# Altium PCB K60最小系统.PcbDoc (part 1 of 2) (continued)
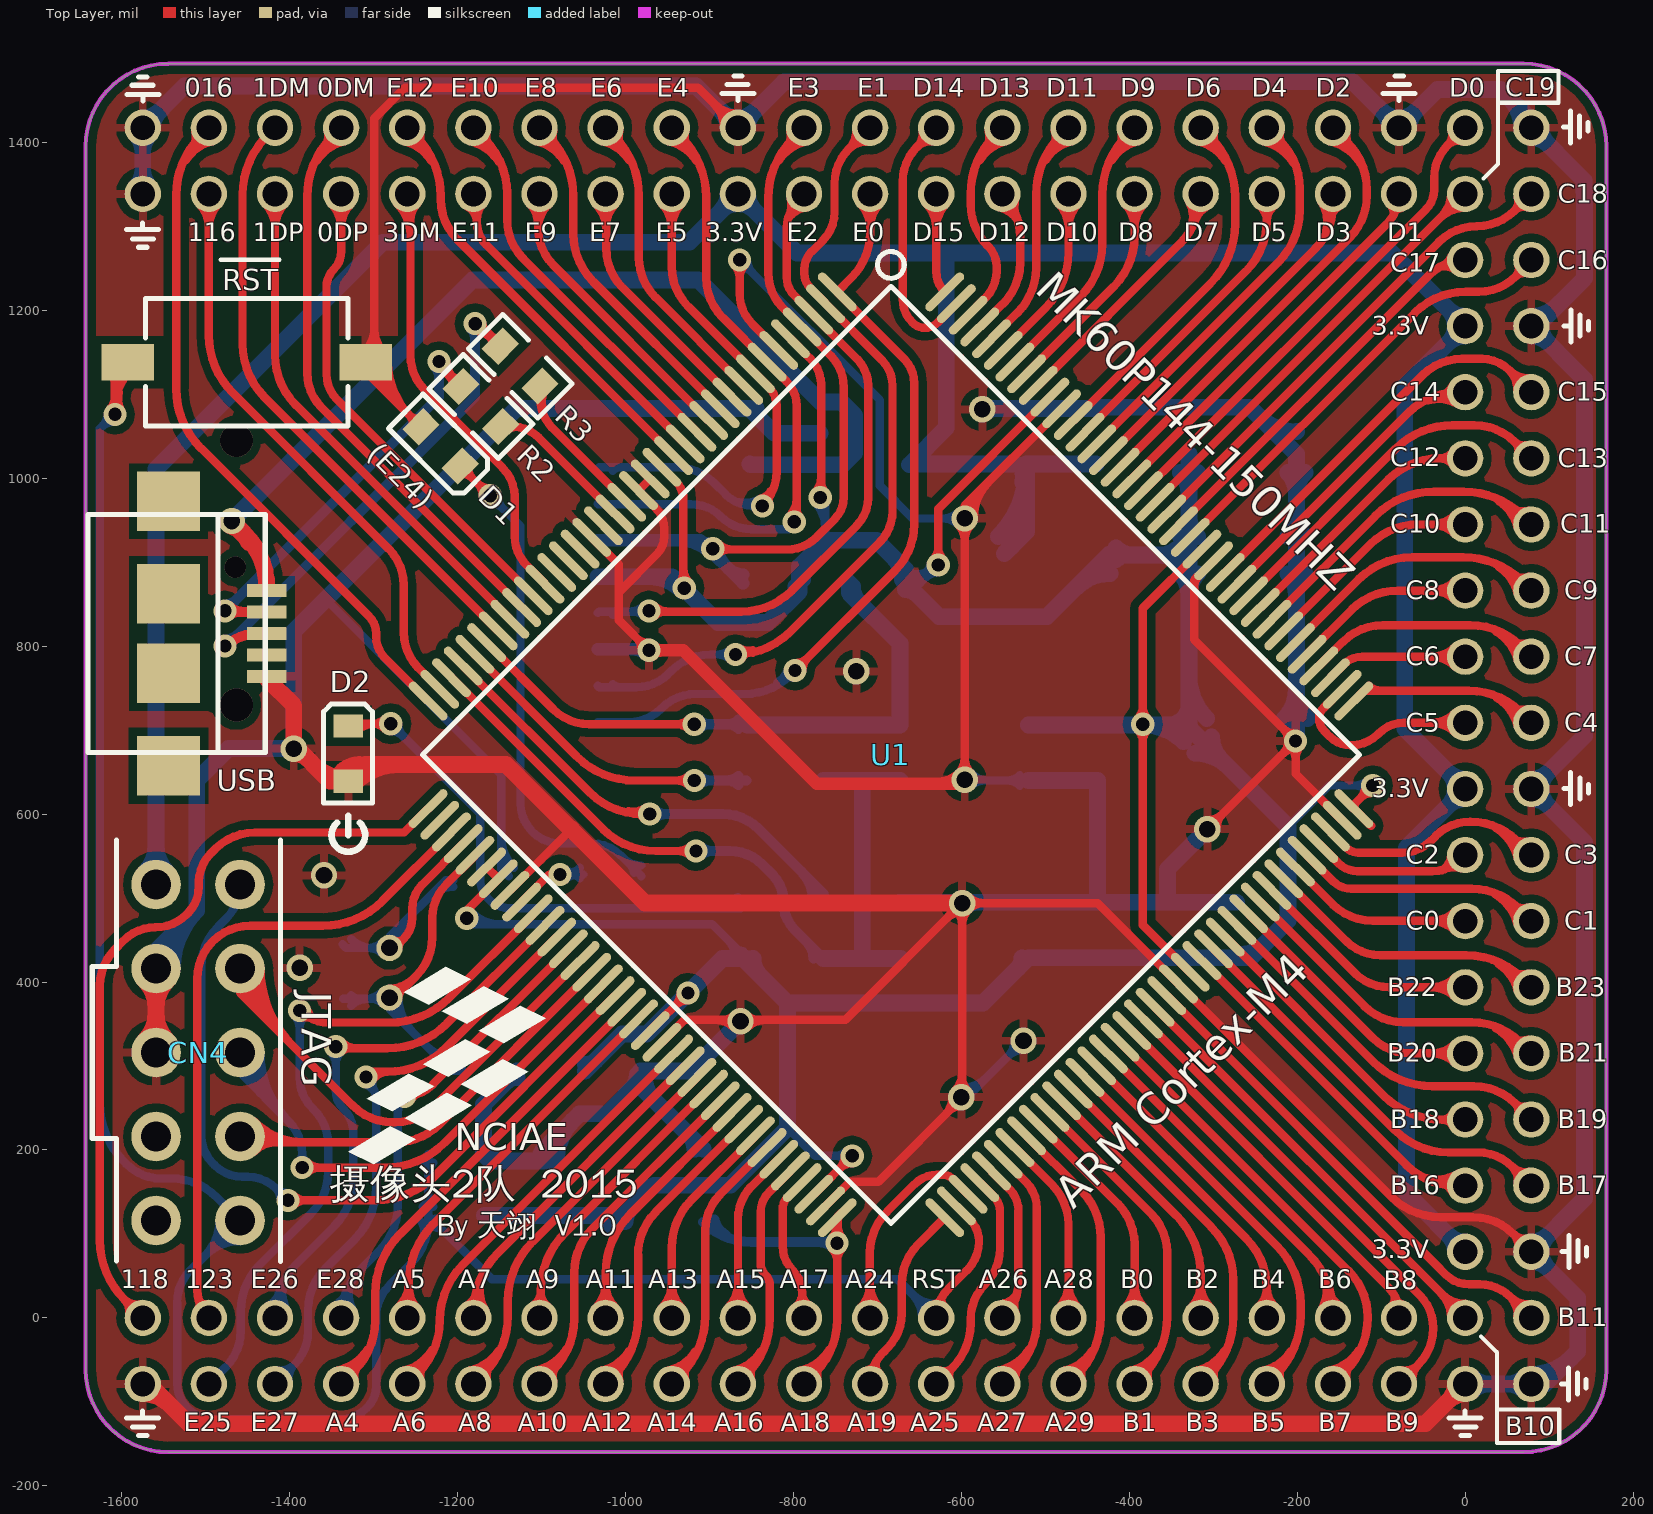
[diagram p0: Top Layer view]
## Nets (pads, with @x,y where several pads share a name; then routed paths per layer and width w, separated by ;. In a path a pad name is that pad's centre, name@x,y a point inside that pad or via, vN(x,y) a via of type N, cw(c..) or ccw(c..) an arc to the next point about the centre after c; other vN are vias at no path point) (continued)
  other v1: -930,869
3V3_IN: C5.1 C6.1 CN1.8 CN1.22 CN1.36 CN2.20 CN4.1 F1.1 U2.5 | length 4655.4
  Bottom Layer w15: C6.1@-539.33,1017 C6.1@-522.37,1017
  Bottom Layer w20: CN4.1@-1572.81,529.81 ccw(c-1606.14,563.14) -1559,563.14 ccw(c-1511.86,563.14) CN4.1@-1545.19,529.81 ; CN4.1@-1559,516 -1559,1011 -1289,1281 -923.72,1281 CN2.20@-866.14,1338.58 -795.56,1268 -618,1268 ; CN2.20@-877.79,1338.58 cw(c-905.93,1338.58) -886.03,1318.69 cw(c-866.14,1298.79) -866.14,1326.93 cw(c-866.14,1298.79) -846.25,1318.69 cw(c-826.35,1338.58) CN2.20@-854.49,1338.58 ; U2.5@-661.7,1016 U2.5@-660.7,1017 ; F1.1@-556.07,930.57 ccw(c-637.42,1011.92) C6.1@-522.37,1011.92 ; F1.1@-549,910 -522.37,936.63 ; F1.1@-544.83,932.59 ccw(c-536.5,950.75) -522.38,936.62 ; F1.1@-541.93,916.43 ccw(c-589.14,963.64) -522.37,963.64 ; C6.1@-539.33,1017 U2.5@-660.7,1017 ; C6.1@-529.58,1015.11 cw(c-552.62,1001.81) -526.93,994.93 ; C5.1@-439.71,1017 C6.1@-522.37,1017 -522.37,936.63 ; CN1.36@-11.65,78.74 ccw(c-39.79,78.74) -19.89,98.63 ccw(c0,118.53) CN1.36@0,90.39 ; CN1.36@0,78.74 -70,148.74 -70,559.92 CN1.22@0,629.92 -72,701.92 -72,1109.1 CN1.8@0,1181.1 -86.9,1268 -618,1268 ; CN1.22@0,618.27 ccw(c0,590.13) -19.89,610.03 ccw(c-39.79,629.92) -11.65,629.92 ccw(c-39.79,629.92) -19.89,649.81 ccw(c0,669.71) CN1.22@0,641.57 ; CN1.8@0,1169.45 ccw(c0,1141.31) -19.89,1161.21 ccw(c-39.79,1181.1) -11.65,1181.1 ccw(c-39.79,1181.1) -19.89,1201 ccw(c0,1220.89) CN1.8@0,1192.75 ; U2.5@-660.7,1017 -618,1059.7 -618,1268
5V_IN: C7.1 U2.1 U2.3 USB.1 | length 1254.2
  Top Layer w20: v2@-1470.94,943.59 cw(c-1484.23,906.43) -1448.55,923.3 ; v2@-1470.26,943.39 cw(c-1476.52,915.44) -1450.63,927.69 ; v2(-1469,949) -1453.95,933.95 ; -1453.92,933.92 cw(c-1518.9,869) USB.1@-1427.05,869
  Bottom Layer w20: v2(-1469,949) -1182,1236 -913.2,1236 U2.3@-768,1090.8 -742.8,1090.8 -727,1075 -727,1030 -741,1016 U2.1@-768,1016 -851,1016 C7.1@-852,1017
ADC0_SE16: CN2.3 U1.36 | length 895.9
  Top Layer w10: -1523.85,1378.37 cw(c-1480.61,1351.59) CN2.3@-1492.25,1401.11 ; -1515.91,1391.2 ccw(c-1541.03,1406.75) CN2.3@-1512.27,1413.51 ; -1511.14,1398.9 cw(c-1488.42,1384.83) CN2.3@-1494.54,1410.85 ; CN2.3@-1496.06,1417.32 -1505.71,1407.67 ccw(c-1435,1336.96) -1535,1336.96 -1535,1106.42 ccw(c-1435,1106.42) -1505.71,1035.71 -1305,835 cw(c-1324.31,815.69) -1297,815.69 -1297,811.59 ccw(c-1260.81,811.59) -1286.4,786 U1.36@-1235.01,734.61
ADC1_SE16: CN2.4 U1.35 | length 757.8
  Top Layer w10: CN2.4@-1507.84,1326.81 cw(c-1536.27,1298.38) -1496.06,1298.38 cw(c-1455.86,1298.38) CN2.4@-1484.29,1326.81 ; CN2.4@-1496.06,1338.58 -1496.06,1169.75 ccw(c-1400.25,1169.75) -1468,1102 -1282,916 ; -1281.97,915.97 cw(c-1325.46,872.54) -1264,872.54 -1264,816.1 ccw(c-1204.46,816.1) -1246.58,774.02 ; -1246.56,774 U1.35@-1221.09,748.53
ADC1_SE18: CN3.1 U1.37 | length 957.4
  Top Layer w10: CN3.1@-1591.11,3.39 ccw(c-1610.92,7.5) -1596.61,21.81 ; CN3.1@-1578.19,16.31 cw(c-1582.3,36.12) -1596.61,21.81 ; CN3.1@-1574.8,0 -1596.61,21.81 ; -1493.88,553.12 ccw(c-1459.72,519) -1508,519 -1508,514.09 cw(c-1554.09,514.09) -1521.5,481.5 -1522.45,480.55 cw(c-1560,518.11) -1560,465 ccw(c-1560,411.89) -1597.55,449.45 -1608,439 ccw(c-1564.78,395.78) -1625.9,395.78 -1625.9,92.52 ccw(c-1525.9,92.52) -1596.61,21.81 ; -1493.86,553.14 -1488.5,558.5 cw(c-1441.42,511.42) -1441.42,578 -1263.56,578 U1.37@-1235.01,606.55
ADC1_SE23: CN3.3 U1.39 | length 812
  Top Layer w10: CN3.3@-1509.17,10.27 ccw(c-1516.98,16.39) -1508.38,21.35 ccw(c-1499.79,26.31) CN3.3@-1498.4,16.49 ; CN3.3@-1496.06,0 cw(c-1462.41,33.65) -1510,33.65 -1510,403.84 cw(c-1446.84,403.84) -1491.5,448.5 cw(c-1446.84,403.84) -1446.84,467 -1360.31,467 ccw(c-1360.31,567) -1289.6,496.29 U1.39@-1207.17,578.71
AGND: C15.1 C16.1 L2.2 R9.1 U1.34 | length 1074.6
  Top Layer w10: U1.34@-1207.17,762.45 -1026.69,581.97 ; -1026.67,581.95 ccw(c-964,644.66) -964,556 v1(-916,556) ; v1@-922.21,549.79 ccw(c-937.2,534.8) -937.2,556 ccw(c-937.2,577.2) v1@-922.21,562.21
  Bottom Layer w12: v1(-916,556) -875.63,556 cw(c-875.63,501.37) -837.02,540.02 ; v1@-910.5,550.5 cw(c-897.22,537.22) -897.22,556 cw(c-897.22,574.78) v1@-910.5,561.5 ; -837,540 -824.73,527.73 cw(c-855.46,497) -812,497 -812,495.04 ccw(c-765.28,495.04) -798.34,462.02 ; -798.32,462 R9.1@-764.32,428 ; -784.32,448.01 cw(c-804.32,428) R9.1@-776.04,428
  Bottom Layer w20: C16.1@-764.5,640 -718,640 ; R9.1@-764.32,428 -718,428.01 ; C15.1@-673,640 -718,640 ; L2.2@-672.63,428.01 -718,428.01 ; -718,428.01 -718,640
GND: "Micro SD.6" C1.2 C2.2 C3.1 C4.1 C5.2 C6.2 C7.2 C8.1 C9.1 C10.1 C11.1 C12.1 C13.1 C14.1 C17.K CN1.1 CN1.7 CN1.21 CN1.35 CN1.39 CN1.40 CN2.1 CN2.2 CN2.19 CN2.39 CN3.2 CN4.3 CN4.5 D1.K D2.K D3.A D4.A L2.1 RST.1 U1.6 U1.17 U1.18 U1.22 U1.44 U1.57 U1.71 U1.93 U1.107 U1.121 U1.134 U2.2 USB.5 Y2.2 | length 18646.7
  Top Layer w10: RST.1@-1311.27,1138 -1311.27,1128.87 D1.K@-1243.53,1061.13 ; RST.1@-1311.2,1149.78 ccw(c-1340.66,1179.23) -1299,1179.23 ; RST.1@-1309.27,1138 -1299,1148.27 -1299,1428.59 -1262.59,1465 -913.82,1465 CN2.19@-866.14,1417.32 ; RST.1@-1302.77,1138 ccw(c-1260.22,1138) -1290.31,1107.91 ; -1299,1177.18 ccw(c-1260.25,1177.18) RST.1@-1287.65,1149.78 ; RST.1@-1292.77,1138 ccw(c-1226.08,1138) -1273.24,1090.84 ; RST.1@-1282.77,1138 ccw(c-1191.93,1138) -1256.17,1073.77 ; D1.K@-1252.31,1061.13 ccw(c-1273.5,1061.13) -1258.52,1076.12 ccw(c-1243.53,1091.11) D1.K@-1243.53,1069.91 ; U1.44@-1137.58,509.12 -1064.85,581.85 ; U1.22@-1040.14,929.48 -1008,897.34 -1008,864.17 ; v1@-980.78,795 ccw(c-1001.98,795) -986.99,809.99 ccw(c-972,824.98) v1@-972,803.78 ; v1(-972,795) -1008,831 -1008,864.17 ; U1.17@-970.54,999.08 U1.18@-984.46,985.16 -964.3,965 cw(c-989.17,940.13) -954,940.13 -954,930 cw(c-982.97,930) -962.47,909.53 ; -962.49,909.51 -1007.83,864.17 -1008,864.17 ; U1.57@-956.62,328.16 -929.79,355 -738,355 v2(-599,494) ; -893.78,355 cw(c-893.78,322.22) v2@-870.6,345.4 ; -884.12,355 ccw(c-884.12,374.12) v2@-870.6,360.6 ; CN2.19@-882.79,1417.32 ccw(c-923,1417.32) -894.57,1445.75 ccw(c-866.14,1474.18) CN2.19@-866.14,1433.98 ; v1@-870.21,1253.79 cw(c-885.2,1238.8) -864,1238.8 cw(c-842.8,1238.8) v1@-857.79,1253.79 ; v1(-864,1260) -864,1219.98 ccw(c-812.79,1219.98) -849.01,1183.77 U1.6@-817.43,1152.19 ; v2@-855.4,345.4 cw(c-832.22,322.22) -832.22,355 ; v2@-855.4,360.6 ccw(c-841.88,374.12) -841.88,355 ; U1.71@-761.75,133.29 -733.04,162 -699,162 -599,262 v2(-599,494) ; -619.76,241.24 ccw(c-641.52,263) v2@-610.75,263 ; -614.93,246.07 cw(c-600,231.13) v2@-600,252.25 ; v2@-609.75,494 cw(c-635.7,494) -617.35,475.65 cw(c-599,457.3) v2@-599,483.25 ; v2@-607.6,270.6 ccw(c-628.36,291.36) -599,291.36 ; v2@-606.6,486.4 cw(c-624.95,468.05) -599,468.05 cw(c-573.05,468.05) -591.4,486.4 cw(c-573.05,468.05) -573.05,494 cw(c-573.05,519.95) v2@-591.4,501.6 ; v2@-603.6,648.6 ccw(c-621.95,666.95) -596,666.95 ccw(c-570.05,666.95) v2@-588.4,648.6 ; v2@-603.6,944.4 cw(c-621.95,926.05) -596,926.05 cw(c-570.05,926.05) v2@-588.4,944.4 ; -599,286.53 ccw(c-576.47,286.53) v2@-592.4,270.6 ; v2@-596,636 v2(-596,952) -596,967.17 U1.134@-480.58,1082.6 ; v2@-595.25,952 cw(c-556.81,952) -583.99,979.18 ; v2@-585.25,952 cw(c-522.67,952) -566.92,996.25 ; -322.84,870.04 cw(c-303.66,870.04) U1.121@-317.22,883.6 ; -322.84,875.82 cw(c-314.68,875.82) U1.121@-317.34,883.53 ; v2(-307,582) v1(-202,687) ; v2@-307,592.75 ccw(c-307,618.7) -288.65,600.35 ccw(c-270.3,582) v2@-296.25,582 ; U1.121@-299.63,901.64 -299.63,901.12 -322.84,877.91 -322.84,807.84 v1(-202,687) ; v1@-208.21,680.79 cw(c-223.2,665.8) -202,665.8 cw(c-180.8,665.8) v1@-195.79,680.79 ; v1@-202,678.22 ccw(c-202,657.02) -216.99,672.01 ccw(c-231.98,687) -210.78,687 ccw(c-231.98,687) -216.99,701.99 ccw(c-202,716.98) v1@-202,695.78 ; U1.107@-146.51,592.63 -202,648.12 v1(-202,687) ; CN1.35@62.53,82.57 ccw(c44.57,86.81) 57.62,99.86 ; CN1.35@74.91,94.95 cw(c70.67,112.91) 57.62,99.86 ; CN1.35@78.74,78.74 57.62,99.86 ; v2(-599,494) -437.62,494 U1.93@-341.38,397.76 -88.11,144.48 ccw(c-29,203.59) -29,120 9,120 cw(c9,51.24) 57.62,99.86
  Top Layer w15: v1(-972,795) -931,795 -772,636 v2@-596,636 ; v1@-967.56,790.56 cw(c-956.84,779.84) -956.84,795 cw(c-956.84,810.16) v1@-967.56,799.44 ; -627.98,636 ccw(c-627.98,672.98) v2@-601.83,646.83
  Top Layer w20: CN3.2@-1574.8,-90.39 cw(c-1574.8,-136.03) -1542.53,-103.76 ; CN3.2@-1574.8,-78.74 -1567.55,-78.74 -1520.29,-126 -47.26,-126 CN1.40@0,-78.74 ; CN4.5@-1572.81,329.81 ccw(c-1606.14,363.14) -1559,363.14 ccw(c-1511.86,363.14) CN4.5@-1545.19,329.81 ; CN4.3@-1572.81,402.19 cw(c-1606.14,368.86) -1559,368.86 cw(c-1511.86,368.86) CN4.3@-1545.19,402.19 ; CN4.5@-1559,316 CN4.3@-1559,416 ; USB.5@-1427.05,761.05 -1395,729 -1395,682 -1352,639 D2.K@-1330,639 -1310,659 -1142,659 -1064.85,581.85 ; v2@-1395,672.25 cw(c-1395,648.72) -1378.36,665.36 ; -1371.22,658.22 ccw(c-1333.94,695.51) D2.K@-1333.94,642.78 ; D2.K@-1337.53,650.47 cw(c-1316.94,629.88) -1316.94,659 ; D2.K@-1323.39,636.33 cw(c-1268.65,581.59) -1268.65,659 ; D2.K@-1322.28,639 cw(c-1303.65,639) D2.K@-1316.83,652.17 ; -1064.35,582.35 -1064.35,581.35 -977,494 v2(-599,494) ; CN1.40@-11.65,-78.74 cw(c-39.79,-78.74) -19.89,-98.63 cw(c0,-118.53) CN1.40@0,-90.39
  Bottom Layer w10: -1357.5,855.5 -1356.5,855.5 -1148,647 -1148,534.99 C3.1@-1139.01,526 ; -1148,548.7 ccw(c-1120.24,548.7) C3.1@-1139.87,529.07 ; -1148,572.85 ccw(c-1096.1,572.85) C3.1@-1132.8,536.15 ; v1@-864,1251.22 cw(c-864,1230.02) -849.01,1245.01 cw(c-834.02,1260) v1@-855.22,1260 ; v1(-864,1260) -697,1093 -697,991 -658,952 v2(-596,952) ; v2@-603.6,944.4 ccw(c-621.95,926.05) -621.95,952 ccw(c-621.95,977.95) v2@-603.6,959.6 ; v2(-600,263) -593,263 v2(-526,330) ; v2@-600,273.75 ccw(c-600,316.6) -569.7,286.3 ; v2@-595,640 C10.1@-520.37,640 ; v2@-588.4,633.4 cw(c-572.47,617.47) -572.47,640 ; v2@-588.4,648.6 ccw(c-567.64,669.36) -567.64,640 ; v2@-536.75,330 cw(c-562.7,330) -544.35,311.65 cw(c-526,293.3) v2@-526,319.25 ; C10.1@-530.52,633.79 ccw(c-545.51,618.8) -545.51,640 ccw(c-545.51,661.2) C10.1@-530.52,646.21
  Bottom Layer w15: -1033,796.08 -973.08,796.08 v1(-972,795) ; -989.76,796.08 cw(c-989.76,777.24) v1@-976.44,790.56
  Bottom Layer w20: CN2.2@-1583.04,1346.82 ccw(c-1602.94,1366.72) -1574.8,1366.72 ccw(c-1546.67,1366.72) CN2.2@-1566.56,1346.82 ; CN2.1@-1583.04,1409.08 cw(c-1602.94,1389.19) -1574.8,1389.19 cw(c-1546.67,1389.19) CN2.1@-1566.56,1409.08 ; CN2.2@-1574.8,1338.58 CN2.1@-1574.8,1417.32 -1525.12,1467 -915.82,1467 CN2.19@-866.14,1417.32 -811.46,1472 -133.42,1472 CN2.39@-78.74,1417.32 -33.06,1463 42.23,1463 78.74,1426.49 CN1.1@78.74,1417.32 141.67,1354.39 141.67,1341.36 142.12,1340.9 142.12,1238 85.22,1181.1 CN1.7@78.74,1181.1 142.12,1117.72 142.12,693 79.04,629.92 CN1.21@78.74,629.92 142.12,566.54 142.12,142.12 CN1.35@78.74,78.74 133.95,23.53 133.95,-40.05 95.26,-78.74 CN1.39@78.74,-78.74 CN1.40@0,-78.74 ; CN2.1@-1574.8,1428.98 ccw(c-1574.8,1457.11) -1554.91,1437.22 ccw(c-1535.01,1417.32) CN2.1@-1563.15,1417.32 ; CN4.3@-1559.47,416 cw(c-1509.91,416) -1544.96,451.04 ; CN4.3@-1559,416 -1559,437 -1510.47,485.53 -1510.47,640.53 -1473,678 v2(-1395,678) -1395,818 -1357.5,855.5 -1130,1083 C7.2@-852,1083 -822.4,1053.4 U2.2@-768,1053.4 ; CN4.3@-1539.47,416 cw(c-1441.63,416) -1510.82,485.18 ; C1.2@-1166.32,193.74 ccw(c-1150.06,210) -1150.06,187 ; C4.1@-1142.18,280.83 cw(c-1129.01,267.65) C4.1@-1129.01,286.28 ; C4.1@-1129.01,294 -1168.99,254.02 C1.2@-1168.99,195 -1160.99,187 C2.2@-1090,187 -1090,208 -1055,243 -1022,243 C8.1@-982,283 ; C2.2@-1102.28,187 cw(c-1081.24,187) -1096.12,201.88 ; C2.2@-1082.28,187 cw(c-1012.96,187) -1061.98,236.02 ; -993.45,271.55 ccw(c-1011.96,290.06) C8.1@-985.78,290.06 ; C8.1@-978.22,290.06 ccw(c-933.61,290.06) -965.15,258.52 ; -924.17,217.53 cw(c-940.7,201) Y2.2@-917.32,201 ; Y2.2@-907.64,201 -982,275.36 C8.1@-982,283 ; CN2.19@-877.79,1417.32 ccw(c-905.93,1417.32) -886.03,1437.22 ccw(c-866.14,1457.11) -866.14,1428.98 ccw(c-866.14,1457.11) -846.25,1437.22 ccw(c-826.35,1417.32) CN2.19@-854.49,1417.32 ; v2(-863,353) -922,294 C8.1@-982,294 C8.1@-982,283 ; C7.2@-844.28,1083 ccw(c-825.65,1083) C7.2@-838.83,1069.83 ; L2.1@-672.63,495.01 C14.1@-520,495 ; -615.32,495.01 cw(c-615.32,477.68) v2@-603.06,489.94 ; v2@-594.94,489.94 cw(c-582.68,477.68) -582.68,495.01 ; v2(-575,1082) -574,1083 C6.2@-522.37,1083 C5.2@-439.71,1083 -438.29,1084.42 -256.46,1084.42 D3.A@-201.05,1029 D4.A@-201.05,908.42 -201.05,696.56 C17.K@-201.61,696 ; v2@-570.94,1077.94 cw(c-558.71,1065.71) -558.71,1083 ; C10.1@-520.37,640 C9.1@-437.71,640 -437.71,495.37 C13.1@-437.33,495 ; C14.1@-520,495 C13.1@-437.33,495 ; v2(-307,582) -354.67,534.33 C12.1@-354.67,495 ; C11.1@-272,495 C12.1@-354.67,495 ; -246.14,1074.1 ccw(c-201.05,1119.19) D3.A@-201.05,1055.42 ; C17.K@-215.39,713.79 ccw(c-250.03,748.43) -201.05,748.43 ; D4.A@-211.38,886.28 cw(c-236.31,861.34) -201.05,861.34 cw(c-165.78,861.34) D4.A@-190.72,886.28 ; D4.A@-211.38,930.56 ccw(c-236.31,955.49) -201.05,955.49 ccw(c-165.78,955.49) D4.A@-190.72,930.56 ; D3.A@-211.38,1006.86 cw(c-236.31,981.93) -201.05,981.93 cw(c-165.78,981.93) D3.A@-190.72,1006.86 ; -201.05,745.73 ccw(c-155.88,745.73) C17.K@-187.82,713.79 ; CN2.39@-90.39,1417.32 ccw(c-118.53,1417.32) -98.63,1437.22 ccw(c-78.74,1457.11) -78.74,1428.98 ccw(c-78.74,1457.11) -58.85,1437.22 ccw(c-38.95,1417.32) CN2.39@-67.09,1417.32 ; CN1.40@8.24,-86.98 cw(c28.13,-106.87) 28.13,-78.74 cw(c28.13,-50.61) CN1.40@8.24,-70.5 ; 52.36,1452.87 cw(c16.82,1417.32) CN1.1@67.09,1417.32 ; CN1.39@70.5,-86.98 ccw(c50.61,-106.87) 50.61,-78.74 ccw(c50.61,-50.61) CN1.39@70.5,-70.5 ; CN1.39@78.74,-67.09 ccw(c78.74,0.93) 126.83,-47.17 ; CN1.35@78.74,67.09 cw(c78.74,38.95) 98.63,58.85 cw(c118.53,78.74) 90.39,78.74 cw(c118.53,78.74) 98.63,98.63 cw(c78.74,118.53) CN1.35@78.74,90.39 ; CN1.21@78.74,618.27 cw(c78.74,590.13) 98.63,610.03 cw(c118.53,629.92) 90.39,629.92 cw(c117.8,629.92) 98.42,649.3 ; CN1.21@78.74,641.57 ccw(c78.74,670.44) 99.15,650.03 ; CN1.7@78.74,1169.45 cw(c78.74,1141.31) 98.63,1161.21 cw(c118.53,1181.1) CN1.7@90.39,1181.1 ; CN1.7@78.74,1192.75 ccw(c78.74,1236.54) 109.7,1205.58 ; CN1.1@78.74,1405.67 cw(c78.74,1377.53) 98.63,1397.43 cw(c118.53,1417.32) CN1.1@90.39,1417.32 ; C13.1@-437.33,495 C12.1@-354.67,495
  other v2: -1388,417 -1359,527 -596,641 -725,770
NetC3_2: C3.2 R6.2 U1.40 Y1.1 | length 520.4
  Top Layer w10: Y1.1@-1275.4,449.7 ccw(c-1270.79,457.26) -1264.53,451 Y1.1@-1272,443.53 ; Y1.1@-1270.25,440.53 cw(c-1258.79,440.53) -1266.89,448.63 ; -1264.51,451.02 ccw(c-1289.94,476.42) -1254,476.42 -1254,487 cw(c-1212.85,487) -1241.95,516.1 U1.40@-1193.25,564.79
  Bottom Layer w10: R6.2@-1337,445 -1332.53,440.53 Y1.1@-1281,440.53 -1281,454 -1214,521 C3.2@-1205.01,521 ; R6.2@-1326.85,451.21 ccw(c-1301.07,476.99) -1301.07,440.53 ; Y1.1@-1288.6,432.93 ccw(c-1306.95,414.58) -1306.95,440.53 ccw(c-1306.95,466.48) Y1.1@-1288.6,448.13 ; Y1.1@-1280.25,440.53 cw(c-1245.92,440.53) -1270.2,464.8 ; Y1.1@-1270.25,440.53 cw(c-1211.78,440.53) -1253.13,481.87 ; -1233.53,501.47 cw(c-1205.01,472.94) C3.2@-1205.01,513.28
NetC4_2: C4.2 R6.1 U1.41 Y1.3 | length 644.7
  Top Layer w10: Y1.3@-1281,392.22 ccw(c-1281,432.65) -1252.41,404.06 ; Y1.3@-1272,384.47 -1249,407.47 ccw(c-1294.87,453.34) -1230,453.34 -1230,476.61 cw(c-1174.3,476.61) -1213.72,515.97 -1179.33,550.35 U1.41@-1179.33,550.87 ; Y1.3@-1270.25,381.47 cw(c-1258.79,381.47) -1266.89,389.58
  Bottom Layer w10: R6.1@-1336,380 Y1.3@-1283.47,380 ; R6.1@-1326.85,371.79 cw(c-1307.04,351.98) -1307.04,380 ; R6.1@-1326.85,384.21 ccw(c-1316.7,394.37) -1316.7,380 ; -1310.5,380 ccw(c-1310.5,410.98) Y1.3@-1288.6,389.07 ; -1303.39,380 cw(c-1303.39,359.08) Y1.3@-1288.6,373.87 ; Y1.3@-1281,381.47 -1281,368 -1207,294 C4.2@-1195.01,294 ; Y1.3@-1280.25,381.47 ccw(c-1245.92,381.47) -1270.2,357.2 ; Y1.3@-1270.25,381.47 ccw(c-1211.78,381.47) -1253.13,340.13 ; -1237.19,324.19 ccw(c-1195.01,366.37) C4.2@-1195.01,306.72 ; -1220.12,307.12 ccw(c-1195.01,332.23) C4.2@-1195.01,296.72
NetD1_A: D1.A R4.1 | length 750.2
  Top Layer w10: D1.A@-1196.86,1005.68 cw(c-1196.86,984.49) -1181.87,999.47 cw(c-1166.88,1014.46) D1.A@-1188.08,1014.46 ; D1.A@-1196.86,1014.46 -1161.4,979 v1(-1161,979) ; -1176.67,994.27 ccw(c-1161,1009.94) v1@-1161,987.78 ; -1175.71,993.31 cw(c-1190.01,979) v1@-1169.78,979
  Bottom Layer w10: v1@-1161,970.22 cw(c-1161,949.02) -1146.01,964.01 cw(c-1131.02,979) v1@-1152.22,979 ; v1(-1161,979) -1125,943 -1125,612.8 ccw(c-1077.2,612.8) -1111,579 ccw(c-1077.2,612.8) -1077.2,565 -1039.8,565 cw(c-1039.8,517.2) -1006,551 R4.1@-981,526 ; -1002.71,547.71 ccw(c-981,569.42) R4.1@-981,538.72 ; R4.1@-993.2,538.2 cw(c-1001.47,529.94) R4.1@-989.78,529.94
NetD2_A: D2.A R5.1 | length 771.8
  Top Layer w10: D2.A@-1330,705 -1327.5,707.5 v1(-1279.5,707.5) ; D2.A@-1319.85,698.79 cw(c-1298.83,677.77) -1298.83,707.5 ; D2.A@-1319.85,711.21 ccw(c-1310.9,720.16) -1310.9,707.5 ; v1@-1285.71,701.29 ccw(c-1300.7,686.3) -1300.7,707.5 ccw(c-1300.7,728.7) v1@-1285.71,713.71
  Bottom Layer w10: v1@-1279.5,698.72 cw(c-1279.5,677.52) -1264.51,692.51 cw(c-1249.52,707.5) v1@-1270.72,707.5 ; v1(-1279.5,707.5) -1173,601 -1173,522.84 ccw(c-1138.86,522.84) -1163.02,498.72 ; -1163,498.7 -1162.41,498.11 ccw(c-1138,522.52) -1138,488 -863,488 R5.1@-855.99,495.01 ; -898.05,488 ccw(c-898.05,533.13) R5.1@-866.14,501.22 ; -873.91,488 ccw(c-873.91,508.99) R5.1@-859.06,494.15
NetR2_1: R2.1 USB.2 | length 632.3
  Top Layer w12: v1@-1475.59,840.59 USB.2@-1427.05,840.59 ; v1@-1471.5,836.5 cw(c-1461.62,826.62) -1461.62,840.59 ; v1@-1471.5,847.5 ccw(c-1454.82,864.18) -1454.82,840.59 ; v1(-1222,1139) -1222,1135 R2.1@-1196,1109 ; v1@-1214.22,1139 ccw(c-1185.78,1139) -1205.89,1118.89 ; R2.1@-1203.78,1109 ccw(c-1222.56,1109) -1209.28,1122.28 ccw(c-1196,1135.56) R2.1@-1196,1116.78
  Bottom Layer w12: v1(-1477,842) -1222,1097 v1(-1222,1139) ; v1@-1477,849.78 ccw(c-1477,868.56) -1463.72,855.28 ccw(c-1450.44,842) v1@-1469.22,842 ; v1@-1227.5,1133.5 cw(c-1240.78,1120.22) -1222,1120.22 cw(c-1203.22,1120.22) v1@-1216.5,1133.5
NetR3_1: R3.1 USB.3 | length 721.9
  Top Layer w12: v1@-1476.98,799.02 cw(c-1438.37,760.37) -1438.37,815 USB.3@-1427.05,815 ; v1@-1179,1176.22 cw(c-1179,1150.2) -1160.6,1168.6 ; v1(-1179,1184) -1176,1184 R3.1@-1149,1157 ; v1@-1171.22,1184 ccw(c-1159.68,1184) -1167.84,1175.84 ; R3.1@-1156.78,1157 ccw(c-1175.56,1157) -1162.28,1170.28 ccw(c-1149,1183.56) R3.1@-1149,1164.78
  Bottom Layer w12: v1@-1477,799 -1179,1097 v1(-1179,1184) ; v1@-1477,807.78 ccw(c-1477,828.98) -1462.01,813.99 ; v1@-1469.22,800 cw(c-1452.85,800) -1464.43,811.57 ; v1@-1184.5,1178.5 cw(c-1197.78,1165.22) -1179,1165.22 cw(c-1160.22,1165.22) v1@-1173.5,1178.5
  other v1: -1477,800
OSC: CN3.22 U1.72 Y2.3 | length 603.3
  Top Layer w10: CN3.22@-791.22,-62.53 ccw(c-803.84,-9.03) -757.09,-37.94 ; CN3.22@-788.93,-72.26 ccw(c-796,-42.27) -769.79,-58.47 ; CN3.22@-787.4,-78.74 CN3.22@-774.12,-65.45 ; CN3.22@-774.09,-65.42 ccw(c-837.57,-2) -747.83,-2 v1@-747.83,78 ; CN3.22@-771.19,-74.92 cw(c-746.43,-69.08) -768.07,-55.69 ; v1@-754.21,82.79 cw(c-769.6,67.4) -747.83,67.4 ; -747.83,68.21 cw(c-727.21,68.21) v1@-741.79,82.79 ; U1.72@-747.83,118.48 U1.72@-747.83,119.37 -747.83,119.9 U1.72@-741.86,125.86
  Top Layer w12: v1@-753.5,94.5 ccw(c-767.19,108.19) -747.83,108.19 ; v1@-747.83,78 -747.83,118.48 U1.72@-747.39,118.93 ; -747.83,107.37 ccw(c-729.63,107.37) v1@-742.5,94.5
  Bottom Layer w12: Y2.3@-907.61,114.36 ccw(c-849.7,172.33) -849.7,90.39 v1@-747.61,90.39 ; Y2.3@-901.17,104.97 cw(c-896.82,88.76) Y2.3@-888.44,103.3 ; Y2.3@-894.29,116.91 ccw(c-865.04,124.77) -880.17,98.53 ; -770.13,90.39 cw(c-770.13,66.87) v1@-753.5,83.5 ; -763.44,90.39 ccw(c-763.44,104.44) v1@-753.5,94.5
  other v1: -748,89
PGA0_DM: CN2.7 U1.28 | length 772.1
  Top Layer w10: -1367.45,1378.13 cw(c-1323.49,1350.33) CN2.7@-1334.92,1401.08 ; -1362.03,1084.34 cw(c-1320.96,1125.35) -1379,1125.35 -1379,1335.48 cw(c-1279,1335.48) -1349.71,1406.19 CN2.7@-1338.58,1417.32 ; -1362,1084.31 U1.28@-1123.66,845.97 ; -1358.53,1392.25 ccw(c-1382.53,1407.42) CN2.7@-1354.83,1413.66 ; -1354.55,1398.54 cw(c-1331,1383.64) CN2.7@-1337.12,1410.83
PGA0_DP: CN2.8 U1.27 | length 646.7
  Top Layer w10: CN2.8@-1350.36,1326.81 cw(c-1378.79,1298.38) -1338.58,1298.38 cw(c-1298.38,1298.38) CN2.8@-1326.81,1326.81 ; -1347.31,1248.69 ccw(c-1326.27,1227.68) -1356,1227.68 -1356,1124 ccw(c-1312.9,1124) -1343.38,1093.53 U1.27@-1109.74,859.89 ; -1347.27,1248.73 ccw(c-1368.32,1269.73) -1338.58,1269.73 CN2.8@-1338.58,1338.58
PGA1_DM: CN2.5 U1.30 | length 733.2
  Top Layer w10: CN2.5@-1417.32,1417.32 -1426.71,1407.93 ccw(c-1356,1337.22) -1436.64,1396.36 ccw(c-1356,1337.22) -1456,1337.22 -1456,1160 ccw(c-1365.79,1160) -1429.58,1096.21 U1.30@-1151.49,818.13
PGA1_DP: CN2.6 U1.29 | length 681.9
  Top Layer w10: CN2.6@-1429.1,1326.81 cw(c-1457.53,1298.38) -1417.32,1298.38 cw(c-1377.12,1298.38) CN2.6@-1405.55,1326.81 ; CN2.6@-1417.32,1338.58 -1417.32,1146.86 ccw(c-1332.67,1146.86) -1392.53,1087 U1.29@-1137.58,832.05
PGA3_DM: CN2.10 U1.26 | length 611.5
  Top Layer w10: CN2.10@-1271.62,1326.81 cw(c-1309.32,1289.1) -1256,1289.1 ; CN2.10@-1264.55,1333.88 cw(c-1285.18,1313.24) -1256,1313.24 ; CN2.10@-1259.84,1338.58 cw(c-1269.12,1329.31) -1256,1329.31 -1256,1146.04 ccw(c-1197.96,1146.04) -1239.03,1105.03 ; -1256,1307.65 cw(c-1228.91,1307.65) CN2.10@-1248.07,1326.81 ; -1239,1105 -1146,1012 ; -1145.98,1011.98 cw(c-1179.8,978.2) -1132,978.2 -1132,931.38 ccw(c-1081.62,931.38) -1117.24,895.76 -1095.82,874.33 U1.26@-1095.82,873.81
PTA0: CN4.4 U1.50 | length 863.9
  Top Layer w10: CN4.4@-1464.47,416 ccw(c-1407.67,416) -1447.84,375.84 ; CN4.4@-1459,416 -1459,387 -1325,253 ccw(c-1276.72,301.28) -1276.72,233 -1274,233 ccw(c-1274,299.01) -1227.32,252.33 U1.50@-1054.06,425.6 ; CN4.4@-1454.47,416 ccw(c-1373.53,416) -1430.76,358.77 ; CN4.4@-1444.47,416 ccw(c-1339.39,416) -1413.69,341.69 ; CN4.4@-1434.47,416 ccw(c-1305.25,416) -1396.62,324.62
PTA1: CN4.8 U1.51 | length 641.8
  Top Layer w10: CN4.8@-1459,216 -1452,209 -1274,209 ccw(c-1274,284.28) -1220.77,231.05 U1.51@-1040.14,411.68 ; CN4.8@-1448.73,226.27 ccw(c-1407.03,267.97) -1407.03,209 ; CN4.8@-1441.66,198.66 cw(c-1416.68,173.68) -1416.68,209 ; CN4.8@-1441.66,233.34 ccw(c-1382.89,292.11) -1382.89,209
PTA2: CN4.6 U1.52 | length 916.3
  Top Layer w10: v1(-1385,179) -1286.4,179 ccw(c-1286.4,279) -1215.69,208.29 U1.52@-1026.22,397.76 ; v1@-1378.79,172.79 cw(c-1363.8,157.8) -1363.8,179 cw(c-1363.8,200.2) v1@-1378.79,185.21
  Bottom Layer w10: CN4.6@-1464.47,316.05 ccw(c-1420.54,315.67) -1451.61,284.61 ; CN4.6@-1459,316 -1459,292 -1401,234 ; CN4.6@-1454.47,315.96 ccw(c-1387.09,315.39) -1434.74,267.74 ; CN4.6@-1444.47,315.88 ccw(c-1353.64,315.1) -1417.87,250.87 ; CN4.6@-1434.47,315.79 ccw(c-1320.19,314.82) -1401,234 ; v1@-1389.86,186.31 ccw(c-1395.88,195.37) -1385,195.37 ; v1(-1385,179) -1385,195.37 ; v1@-1380.14,186.31 cw(c-1374.12,195.37) -1385,195.37 ; -1400.98,233.98 cw(c-1439.63,195.37) -1385,195.37
PTA3: CN4.2 U1.53 | length 1002.5
  Top Layer w10: v1(-1402,140) -1297.56,140 ccw(c-1297.56,240) -1226.85,169.29 U1.53@-1012.3,383.84 ; v1@-1395.79,133.79 cw(c-1380.8,118.8) -1380.8,140 cw(c-1380.8,161.2) v1@-1395.79,146.21
  Bottom Layer w10: -1491.45,184.03 cw(c-1458.63,216.79) -1505,216.79 -1505,418 cw(c-1437.4,418) -1485.22,465.78 -1475.97,475.03 ccw(c-1516.94,516) CN4.2@-1459,516 ; -1491.42,184 -1489.15,181.73 ccw(c-1456,214.88) -1456,168 -1449.8,168 cw(c-1449.8,120.2) -1416,154 ; v1@-1410.77,140.43 ccw(c-1428.68,141.32) -1416,154 ; v1@-1402.43,148.77 cw(c-1403.32,166.68) -1416,154 ; v1(-1402,140) -1416,154
PTA4: CN3.8 U1.54 | length 711.3
  Top Layer w10: CN3.8@-1342.31,-62.51 ccw(c-1355.14,-6.73) -1306.63,-37.1 ; CN3.8@-1340.07,-72.26 ccw(c-1347.49,-40) -1319.44,-57.56 ; CN3.8@-1338.58,-78.74 -1322.86,-63.02 ; CN3.8@-1331.32,-63.75 ccw(c-1328,-56.91) -1321.56,-60.95 ccw(c-1309.6,-68.43) CN3.8@-1322.89,-73.16 ; CN3.8@-1330.59,-64.13 ccw(c-1327.47,-58.41) -1322.86,-63.02 ; CN3.8@-1323.97,-70.75 cw(c-1318.26,-67.63) -1322.86,-63.02 ; CN3.8@-1322.35,-75.01 cw(c-1299.77,-69.81) -1319.41,-57.52 ; U1.54@-998.38,369.92 -1268.71,99.59 ccw(c-1198,28.88) -1298,28.88 -1298,-3 cw(c-1382.88,-3) -1322.84,-63
PTA5: CN3.9 U1.55 | length 522.1
  Top Layer w10: CN3.9@-1270.87,12.48 ccw(c-1296.13,41.04) -1258,41.04 ; CN3.9@-1258,1.84 -1258,41.04 ; -1258,35.76 ccw(c-1224.08,35.76) CN3.9@-1248.07,11.78 ; U1.55@-984.46,356 -1228.71,111.75 ccw(c-1158,41.04) -1258,41.04
PTA6: CN3.10 U1.58 | length 603.6
  Top Layer w10: CN3.10@-1263.76,-62.55 ccw(c-1276.62,-9.37) -1229.92,-37.88 ; CN3.10@-1261.41,-72.27 ccw(c-1268.59,-42.56) -1242.5,-58.49 ; CN3.10@-1259.84,-78.74 CN3.10@-1247.09,-65.99 ; CN3.10@-1247.06,-65.96 ccw(c-1310.08,-3) -1221,-3 cw(c-1126.97,-3) -1193.46,63.49 U1.58@-942.7,314.24 ; CN3.10@-1243.65,-74.83 cw(c-1218.68,-68.79) -1240.61,-55.39
PTA7: CN3.11 U1.59 | length 463.7
  Top Layer w10: CN3.11@-1189.92,14.13 ccw(c-1208.52,43.93) -1174.29,36.01 ; CN3.11@-1181.1,0 -1181.1,6.59 cw(c-1081.1,6.59) -1151.81,77.3 U1.59@-928.78,300.32 ; -1172.67,43 ccw(c-1128.56,32.79) CN3.11@-1166.97,8.82
PTA8: CN3.12 U1.60 | length 553.5
  Top Layer w10: CN3.12@-1184.71,-62.48 ccw(c-1196.38,-9.88) -1150.93,-38.82 ; CN3.12@-1182.54,-72.24 ccw(c-1188.99,-43.21) -1163.9,-59.18 ; CN3.12@-1181.1,-78.74 -1168.03,-65.67 ccw(c-1235.7,2) -1140,2 -1140,19.85 cw(c-1040,19.85) -1110.71,90.56 U1.60@-914.86,286.41 ; CN3.12@-1164.84,-75.13 cw(c-1138.95,-69.38) -1161.32,-55.14
PTA9: CN3.13 U1.61 | length 390.3
  Top Layer w10: CN3.13@-1110.61,14.47 ccw(c-1120.04,31.01) -1101,31.01 ; CN3.13@-1101,1.36 -1101,31.01 ; CN3.13@-1092.22,13.21 cw(c-1078.57,31.01) -1101,31.01 ; U1.61@-900.95,272.49 -1071.71,101.72 ccw(c-1001,31.01) -1101,31.01
PTA10: CN3.14 U1.62 | length 547.8
  Top Layer w10: CN3.14@-1105.98,-62.49 ccw(c-1118.3,-7.18) -1070.48,-37.58 ; CN3.14@-1103.81,-72.25 ccw(c-1110.88,-40.51) -1083.44,-57.95 ; CN3.14@-1102.36,-78.74 -1086.72,-63.1 ; CN3.14@-1094.97,-63.81 ccw(c-1091.7,-57.2) -1085.48,-61.16 ; CN3.14@-1094.3,-64.17 ccw(c-1091.22,-58.61) -1086.72,-63.1 ; CN3.14@-1087.79,-70.68 cw(c-1082.23,-67.6) -1086.72,-63.1 ; CN3.14@-1086.74,-72.97 cw(c-1074.18,-68.34) -1085.48,-61.16 ; CN3.14@-1086.11,-75.12 cw(c-1062.92,-69.96) -1082.97,-57.21 ; U1.62@-887.03,258.57 -1039.37,106.22 ccw(c-987.14,54) -1061,54 -1061,-1 cw(c-1148.83,-1) -1086.69,-63.07 cw(c-1148.83,-1) -1086.72,-63.1
PTA11: CN3.15 U1.63 | length 365.8
  Top Layer w10: CN3.15@-1035.4,11.78 ccw(c-1063.83,40.21) -1023.62,40.21 ccw(c-983.42,40.21) CN3.15@-1011.85,11.78 ; CN3.15@-1023.62,0 -1023.62,52.71 cw(c-923.62,52.71) -994.33,123.42 U1.63@-873.11,244.65
PTA12: CN3.16 U1.64 | length 454.1
  Top Layer w10: CN3.16@-1027.47,-62.54 ccw(c-1039.15,-13.3) -996.07,-39.85 ; CN3.16@-1025.16,-72.27 ccw(c-1031.27,-46.52) -1008.74,-60.4 ; CN3.16@-1023.62,-78.74 -1014.29,-69.41 ccw(c-1085,1.3) -985,1.3 -985,75.22 cw(c-913.3,75.22) -964,125.91 U1.64@-859.19,230.73 ; CN3.16@-1007.42,-74.9 cw(c-978.42,-68.02) -1003.79,-52.38
PTA13: CN3.17 U1.65 | length 317.7
  Top Layer w10: CN3.17@-956.66,11.78 ccw(c-985.09,40.21) -944.88,40.21 ccw(c-904.68,40.21) CN3.17@-933.11,11.78 ; CN3.17@-944.88,0 -944.88,83.53 cw(c-863.6,83.53) -921.11,140.96 cw(c-863.6,83.53) -921.08,141 U1.65@-845.27,216.81
PTA14: CN3.18 U1.66 | length 406.5
  Top Layer w10: CN3.18@-948.6,-62.51 ccw(c-960.11,-12.19) -916.39,-39.63 ; CN3.18@-946.37,-72.25 ccw(c-952.49,-45.48) -929.22,-60.08 ; CN3.18@-944.88,-78.74 -934.29,-68.15 ccw(c-1005,2.56) -905,2.56 -905,104.12 cw(c-844.35,104.12) -887.24,147 U1.66@-831.35,202.89 ; CN3.18@-928.65,-75.03 cw(c-900.58,-68.6) -924.97,-53.29
PTA15: CN3.19 U1.67 | length 270
  Top Layer w10: CN3.19@-877.92,11.78 ccw(c-906.69,40.55) -866,40.55 ; CN3.19@-866.14,0 -866,0.14 -866,117.77 cw(c-811.37,117.77) -850.02,156.38 U1.67@-817.43,188.97 ; -866,39.86 ccw(c-826.28,39.86) CN3.19@-854.37,11.78
PTA16: CN3.20 U1.68 | length 365.8
  Top Layer w10: CN3.20@-870.06,-62.55 ccw(c-882.03,-13.03) -838.54,-39.58 ; CN3.20@-867.7,-72.27 ccw(c-874.01,-46.22) -851.13,-60.19 ; CN3.20@-866.14,-78.74 -856.71,-69.31 ccw(c-926.01,0) -856.67,-69.27 ccw(c-926.01,0) -828,0 -828,38.22 ccw(c-846.78,38.22) -833.5,51.5 cw(c-820.22,64.78) -839,64.78 -839,126.21 cw(c-806.77,126.21) -829.56,149 U1.68@-803.51,175.05 ; CN3.20@-849.95,-74.83 cw(c-821.32,-67.9) -846.46,-52.55
PTA17: CN3.21 U1.69 | length 185.2
  Top Layer w10: U1.69@-806.86,143.86 ccw(c-792.51,129.51) -812.8,129.51 -812.8,85.28 ccw(c-773.02,85.28) -801.16,57.16 ; -801.15,57.15 cw(c-829.28,29.02) -789.5,29.02 ; CN3.21@-797.36,13.35 ccw(c-809.06,29.02) -789.5,29.02 ; CN3.21@-789.5,2.1 -789.5,29.02 ; CN3.21@-780.56,15.18 cw(c-774.32,29.02) -789.5,29.02
PTA19: CN3.24 U1.73 | length 258.8
  Top Layer w10: CN3.24@-712.34,-62.5 ccw(c-715.55,-48.33) -701.52,-52.09 ccw(c-687.49,-55.85) CN3.24@-697.35,-66.52 ; CN3.24@-708.66,-78.74 cw(c-655.36,-78.74) -693.05,-41.05 -688,-36 ; -687.97,-35.97 ccw(c-729.04,5.04) -671,5.04 -671,39.86 cw(c-602.72,39.86) -651,88.14 U1.73@-619.77,119.37
PTA24: CN3.23 U1.75 | length 317.8
  Top Layer w10: CN3.23@-720.44,11.78 ccw(c-748.05,39.39) -709,39.39 ; -709,41.02 ccw(c-667.64,41.02) CN3.23@-696.89,11.78 ; CN3.23@-708.66,0 -709,0.34 -709,77.01 cw(c-639.01,77.01) -688.5,126.5 -655.59,159.41 cw(c-629,132.82) -629,170.42 -622.42,170.42 cw(c-622.42,152.85) -610,165.28 U1.75@-591.93,147.21 U1.75@-591.93,146.69
PTA25: CN3.26 U1.76 | length 302
  Top Layer w10: CN3.26@-629.92,-78.74 -610.79,-59.61 ; CN3.26@-624.71,-62.92 ccw(c-620.44,-49.97) -610.79,-59.61 ; CN3.26@-614.1,-73.53 cw(c-601.15,-69.26) -610.79,-59.61 ; -610.77,-59.59 ccw(c-663.4,-7) -589,-7 -589,-1.75 cw(c-529.25,-1.75) -571.53,40.47 ; U1.76@-578.01,161.13 U1.76@-561.15,144.27 ; -571.47,40.53 ccw(c-613.75,82.75) -554,82.75 -554,127 ccw(c-578.42,127) U1.76@-561.14,144.25
PTA26: CN3.27 U1.77 | length 239
  Top Layer w10: U1.77@-564.1,175.05 -564.1,174.53 -542.57,153 cw(c-568.08,127.49) -532,127.49 -532,43 cw(c-589.5,43) -548.84,2.34 CN3.27@-551.18,0 ; CN3.27@-552.56,16.6 ccw(c-554.55,40.57) -533.71,28.54 ccw(c-510.62,15.21) CN3.27@-535.59,5.85